# Altium PCB CM4-Tower.PcbDoc (part 3 of 10) (continued)
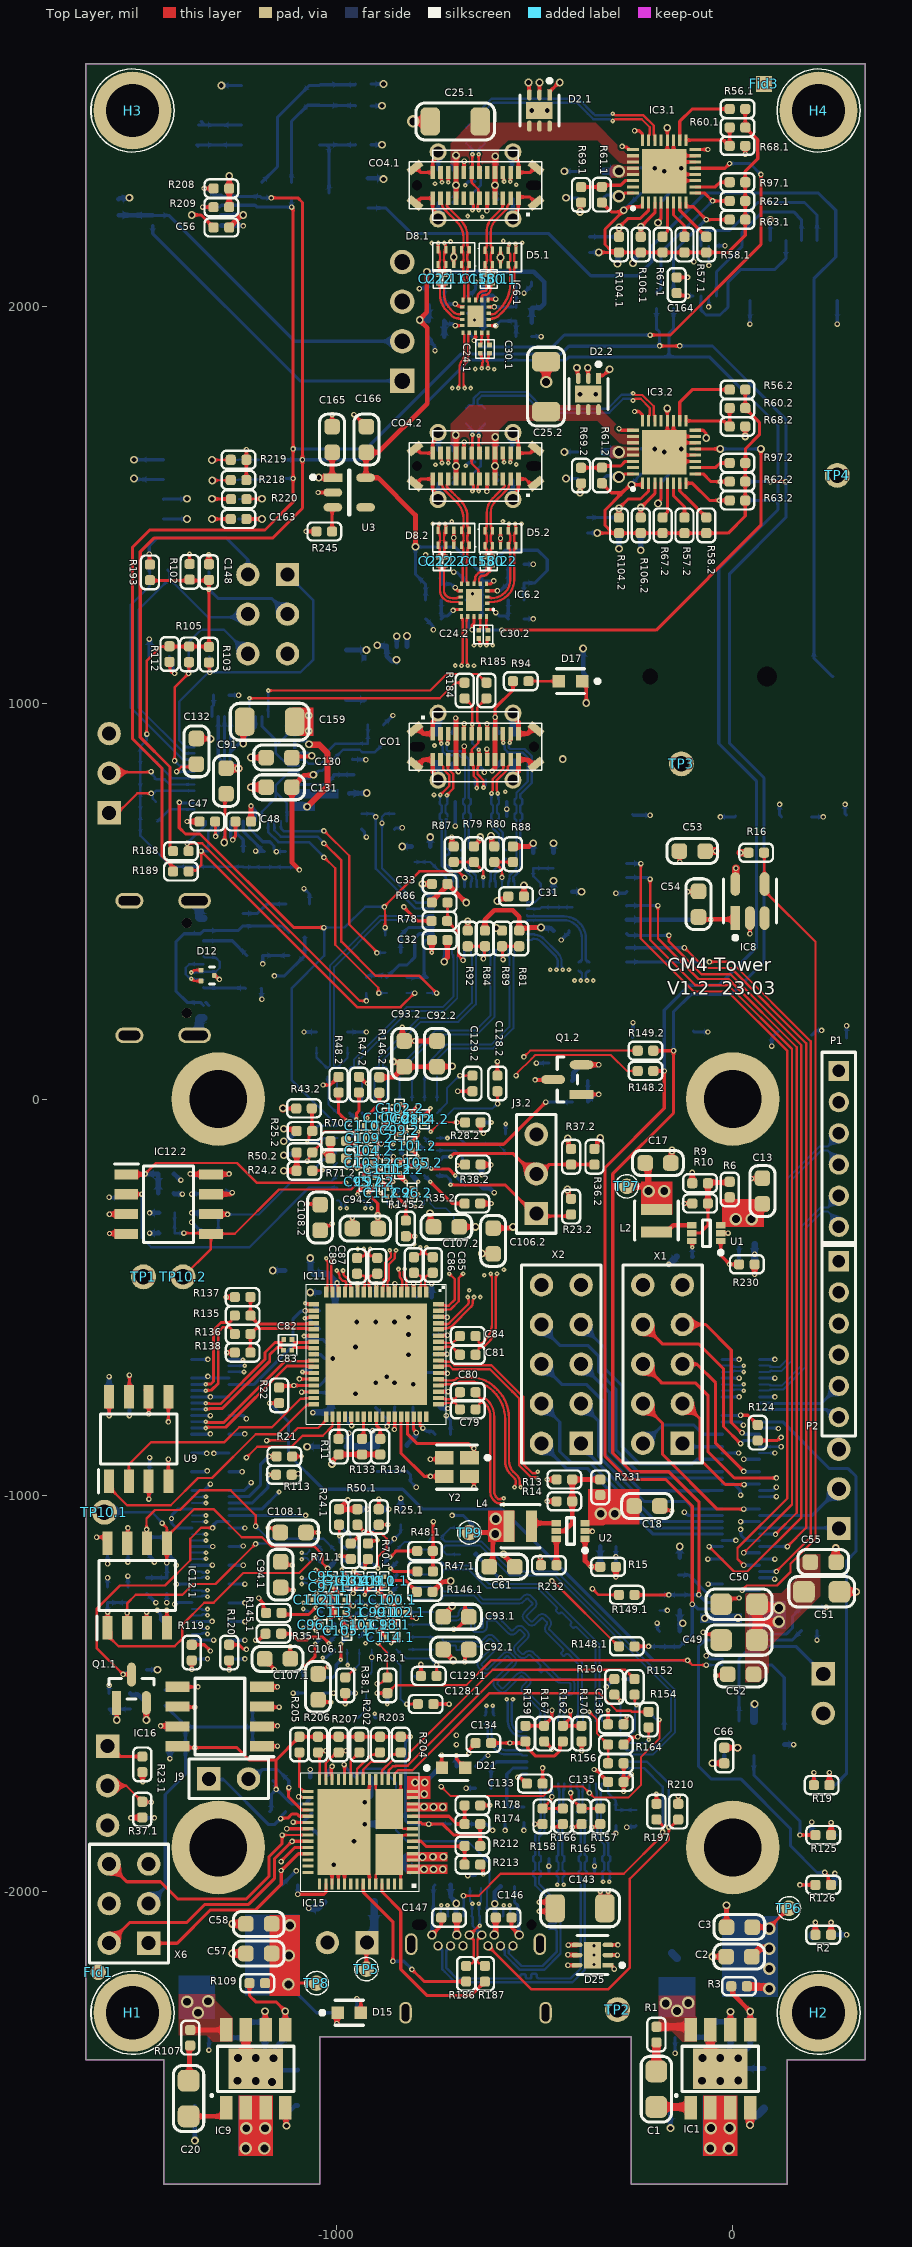
[diagram p0: Top Layer view]
## Nets (pads, with @x,y where several pads share a name; then routed paths per layer and width w, separated by ;. In a path a pad name is that pad's centre, name@x,y a point inside that pad or via, vN(x,y) a via of type N, cw(c..) or ccw(c..) an arc to the next point about the centre after c; other vN are vias at no path point) (continued)
+2V5.1: C114.1.1 IC2.1.H8 | length 40.2
  Top Layer w7.87: v2(-862.18,-1374.05) -862.18,-1372.99 -855.92,-1366.73 -855.92,-1360.42 C114.1.1@-853.95,-1358.45
  Bottom Layer w7.87: v2(-862.18,-1374.05) -861.43,-1373.3 -861.43,-1371.23 IC2.1.H8@-848.64,-1358.45
+2V5.2: C114.2.1 IC2.2.H8 | length 44
  Top Layer w7.87: C114.2.1@-778.39,-40.75 -764.18,-26.54 -764.18,-23.78 v2(-763.43,-23.03)
  Bottom Layer w7.87: IC2.2.H8@-778.39,-35.43 -776.9,-35.43 -764.5,-23.03 v2(-763.43,-23.03)
+3V3: C8.1 C9.1 C10.1 C11.1 C12.1 C14.1 C15.1 C31.1 C32.1 C33.1 C34.1 C53.1 C56.1 C57.1 C58.1 C59.1 C60.1 C67.1 C78.2 C99.1.1 C99.2.1 C106.1.1 C106.2.1 C107.1.1 C107.2.1 C108.1.1 C108.2.1 C109.1.1 C109.2.1 C110.1.1 C110.2.1 C111.1.1 C111.2.1 C112.1.1 C112.2.1 C113.1.1 C113.2.1 C117.1.2 C117.2.2 C130.1 C133.1 C134.1 C135.1 C136.1 C155.1.1 C155.2.1 C163.1 C164.2 C165.1 D3.1.2 D3.2.2 D26.1 IC2.1.B5 IC2.1.C5 IC2.1.C6 IC2.1.C7 IC2.1.F3 IC2.1.G3 IC2.1.G6 IC2.2.B5 IC2.2.C5 IC2.2.C6 IC2.2.C7 IC2.2.F3 IC2.2.G3 IC2.2.G6 IC3.1.32 IC3.2.32 IC4.1 IC4.6 IC4.20 IC4.28 IC7.3 IC8.5 IC11.6 IC11.15 IC11.23 IC11.32 IC11.46 IC11.49 IC11.57 IC11.66 IC12.1.8 IC12.2.8 IC13.5 IC14.1 IC14.6 IC14.20 IC14.28 L3.2 P1.1 R7.2 R9.1 R11.2 R13.1 R16.1 R21.1 R23.1.2 R23.2.2 R25.1.2 R25.2.2 R27.1.2 R27.2.2 R31.1.2 R31.2.2 R36.1.1 R36.2.1 R38.1.1 R38.2.1 R40.1.1 R40.2.1 R45.1.1 R45.2.1 R47.1.1 R47.2.1 R48.1.1 R48.2.1 R49.1.1 R49.2.1 R51.1.1 R51.2.1 R54.1.1 R54.2.1 R70.1.1 R70.2.1 R71.1.1 R71.2.1 R78.1 R79.1 R80.1 R81.1 R82.1 R83.1 R84.1 R85.1 R108.1 R109.1 R113.1 R119.1 R120.2 R121.1 R131.1 R132.2 R133.2 R134.2 R139.1 R140.1 R141.1 R143.1.1 R143.2.1 R145.1.2 R145.2.2 R147.1.1 R147.2.1 R156.1 R157.1 R158.1 R159.1 R160.1 R161.1 R162.1 R163.1 R208.1 R209.1 R214.1 R215.1 R218.1 R219.1 R245.1 TP8.1 U3.1 U7.8 U8.8 U9.8 X1.9 | length 6627.3
  Top Layer w7.87: v1(-1606.3,-1106.3) -1587.8,-1106.3 -1578.94,-1115.16 IC12.1.8@-1578.94,-1121.57 ; U9.8@-1575,-751.5 -1574.8,-751.69 v1(-1574.8,-799.21) ; R119.1@-1366.14,-1377.95 -1334.65,-1377.95 v1(-1318.9,-1393.7) ; R120.2@-1271.65,-1377.95 -1247.05,-1377.95 -1236.37,-1388.63 -1229.48,-1388.63 v1(-1228.35,-1389.76) ; C163.1@-1228.35,1464.57 v3(-1188.98,1464.57) ; R218.1@-1228.35,1562.99 R219.1@-1228.35,1614.17 v1(-1228.35,1639.41) ; v1(-1196.85,-1259.84) -1196.85,-1261.44 -1185.21,-1273.08 -1185.21,-1297.15 R145.1.2@-1178.66,-1303.7 ; v4@-1122.12,-2231.48 -1121.32,-2232.28 TP8.1@-1051.18,-2232.28 ; v1(-1117.62,-1382.38) -1117.62,-1412.89 C107.1.1@-1117.13,-1413.39 ; R113.1@-1113.66,-948.53 -1112.44,-947.3 -1098.3,-947.3 v1(-1097.17,-946.17) ; C130.1@-1113.19,862.2 -1110.62,864.77 -1065.22,864.77 v3(-1062.96,867.03) ; R21.1@-1112.71,-902.3 v2(-1089.09,-902.3) ; v1(-1088.58,-740.03) -1087.99,-739.44 -1058.28,-739.44 IC11.32@-1057.88,-739.05 ; v2(-1082.68,-598.43) -1082.12,-597.87 -1058.44,-597.87 IC11.23@-1057.88,-597.32 ; C108.1.1@-1077.76,-1094.49 -1074.95,-1097.3 -1072.14,-1094.49 v1(-1047.24,-1094.49) ; v1(-1076.95,1433.52) -1076.72,1433.3 -1051.41,1433.3 R245.1@-1051.18,1433.07 ; v1(-1074.8,-263.78) -1073.67,-264.91 -1043.99,-264.91 C108.2.1@-1042.17,-266.73 C108.2.1@-1042.17,-264.24 ; C106.1.1@-1047.24,-1516.73 -1041.48,-1522.49 -1016.88,-1522.49 v1(-1015.75,-1523.62) ; v3(-1045.58,1569.36) v3@-1045.35,1569.13 ; v1(-1034.45,35.43) -1034.34,35.54 -1015.75,35.54 R48.2.1@-995.57,55.72 ; v2(-1021.87,-1249.28) -1021.11,-1250.03 -1014.73,-1250.03 C111.1.1@-1000.8,-1263.96 ; U3.1@-1011.81,1570.85 U3.1@-1010.85,1569.88 ; U3.1@-1010.09,1569.13 U3.1@-1009.86,1568.9 ; v1(-999.39,-464.32) -997.51,-471.51 cw(c-1005.13,-473.5) -997.28,-472.85 -996.44,-483 ccw(c-988.59,-482.35) -995.48,-486.17 -995.08,-486.89 IC11.15@-994.89,-487.08 ; v1(-978.85,-1526.57) -978.71,-1526.43 -978.71,-1500.33 R38.1.1@-978.56,-1500.18 ; R71.1.1@-964.57,-1122.05 -963.24,-1122.05 -948.24,-1107.05 -945.64,-1107.05 v2(-944.88,-1106.3) ; R47.2.1@-944.34,55.92 R47.2.1@-944.14,56.12 -942.81,56.12 -927.19,40.5 -922.85,40.5 v1(-921.72,39.37) ; C110.2.1@-930.56,-66.93 -928.59,-68.9 -928.59,-74.21 -923.64,-79.16 -923.64,-82.38 v2(-922.89,-83.13) ; C109.2.1@-929.18,-98.43 -927.21,-100.39 -927.21,-106.96 -922.9,-111.27 v2(-922.9,-112.33) ; R70.1.1@-921.26,-1122.05 -914.14,-1114.93 -898.11,-1114.93 v2(-897.36,-1114.17) ; C109.1.1@-911.63,-1207.66 -909.66,-1209.63 -902.16,-1209.63 -897.85,-1213.94 v2(-897.36,-1213.94) ; v2(-895.51,-1313.13) -894.75,-1312.38 -893.57,-1312.38 -883.48,-1302.29 -883.48,-1297.42 C99.1.1@-881.51,-1295.46 ; v2@-895.21,-1213.8 -894.46,-1213.05 -891.98,-1213.05 -887.19,-1208.25 -882.1,-1208.25 C110.1.1@-880.14,-1206.28 ; R25.1.2@-893.81,-1035.7 -893.81,-1010.13 v1(-893.7,-1010.02) ; v1(-854.58,-834.4) -853.55,-833.37 -853.55,-802.43 IC11.46@-853.16,-802.04 ; IC11.6@-853.19,-487.05 v1@-853.19,-466.43 ; C99.2.1@-841.38,-68.31 -839.42,-70.28 -834.55,-70.28 -823.71,-81.12 v2(-823.71,-82.3) ; v1(-830.71,485.24) -830.71,484.25 -796.36,449.9 -760.92,449.9 R78.1@-760.61,449.59 ; R145.2.2@-825.64,-346.46 v1(-803.15,-346.46) ; IC11.49@-805.92,-802.04 -805.92,-834.22 -799.21,-840.92 v1(-799.21,-842.52) ; R47.1.1@-757.09,-1192.7 -757.29,-1192.5 -757.29,-1141.47 R48.1.1@-757.49,-1141.27 -756.7,-1140.48 -756.7,-1067.72 v1(-755.91,-1066.93) ; IC11.57@-742.92,-691.8 -742.37,-692.36 -721.03,-692.36 v1(-720.47,-692.91) ; IC11.66@-742.92,-550.07 -742.51,-550.48 -721.71,-550.48 v1(-721.3,-550.9) ; C134.1@-610.24,-1625.98 v1(-562.99,-1625.98) -527.56,-1625.98 R159.1@-523.62,-1622.05 -518.13,-1627.54 -518.13,-1639.35 -499.02,-1658.46 -449.76,-1658.46 -436.47,-1645.18 -436.47,-1629.39 R162.1@-429.13,-1622.05 ; v1(-543.31,-1712.6) -542.18,-1713.73 -535.63,-1713.73 -521.02,-1728.35 C133.1@-519.68,-1728.35 ; v1(-500,-1830.71) R158.1@-480.32,-1830.71 ; v1(-356.37,-1838.75) -355.24,-1837.62 -341.55,-1837.62 R157.1@-334.65,-1830.71 ; C136.1@-314.96,-1578.74 v2(-314.96,-1543.31) ; v4(-287.4,1570.68) -281.01,1570.68 -273.14,1578.55 IC3.2.32@-251.97,1578.55 ; v4(-287.4,2279.53) -281.01,2279.53 -273.14,2287.4 IC3.1.32@-251.97,2287.4 ; v1(-275.59,-1748.03) C135.1@-275.59,-1724.41 ; R156.1@-275.59,-1677.17 C135.1@-275.59,-1724.41 ; v1(-255.91,-1704.72) C135.1@-275.59,-1724.41 ; C164.2@-141.73,2035.43 -134.99,2028.69 -115.3,2028.69 v1(-114.17,2027.56)
  Top Layer w11.81: R23.1.2@-1497.24,-1693.31 R23.1.2@-1490.93,-1699.62 -1490.36,-1700.19 -1490.36,-1722.68 v1(-1489.79,-1723.25) ; v1(-1370.08,-188.98) -1369.42,-189.63 -1318.48,-189.63 IC12.2.8@-1317.82,-190.29 -1317.23,-189.7 -1272.91,-189.7 -1272.19,-188.98 v1(-1271.65,-188.98) ; C56.1@-1271.65,2200.79 -1241.66,2230.78 -1237.73,2230.78 v3(-1236.22,2232.28) ; R209.1@-1271.65,2255.91 v3(-1271.65,2330.71) ; R109.1@-1181.1,-2232.28 -1122.92,-2232.28 v4@-1122.12,-2231.48 ; v3(-1133.86,-74.8) -1132.35,-76.31 -1105.63,-76.31 R25.2.2@-1101.23,-80.71 ; v3@-1045.35,1569.13 U3.1@-1010.09,1569.13 ; C112.1.1@-1038.99,-1263.96 -1037.62,-1263.96 v2(-1021.87,-1279.71) -1016.55,-1279.71 C113.1.1@-1000.8,-1295.46 -1016.55,-1311.2 v2(-1021.87,-1311.2) ; v1(-1034.45,-130.62) -1034.45,-130.76 -1015.75,-149.46 R71.2.1@-1015.75,-149.61 ; R71.2.1@-1015.75,-145.67 R70.2.1@-1015.75,-106.3 ; v3(-1011.81,-921.26) -1010.3,-919.75 -1010.3,-912.57 -995.3,-897.56 R11.2@-995.3,-897.29 R133.2@-936.24,-897.29 ; U3.1@-1011.81,1570.85 C165.1@-1011.81,1632.87 ; R133.2@-939.44,-900.49 R133.2@-936.24,-897.29 ; R25.1.2@-893.92,-1035.61 R25.1.2@-893.82,-1035.71 ; R134.2@-890.17,-897.29 R133.2@-936.24,-897.29 ; v2(-887.56,-208.66) -872.88,-223.34 C112.2.1@-872.88,-225.79 ; C111.2.1@-872.88,-187.6 -872.88,-192.91 v2(-857.13,-208.66) ; C113.2.1@-841.38,-187.6 -841.38,-192.91 v2(-825.64,-208.66) ; v3(-783.46,543.31) C33.1@-759.84,543.31 ; v3(-728.35,346.46) -728.35,348.59 -720.47,356.46 C32.1@-720.47,401.57 ; C107.2.1@-690.79,-322.83 v3(-649.61,-322.83) ; R79.1@-653.54,637.8 -653.54,638.06 -639.3,652.3 -639.3,659.91 v3(-637.8,661.42) ; R38.2.1@-636.66,-165.35 -636.08,-165.93 -611.45,-165.93 v1(-611.07,-166.31) ; R84.1@-625.98,425.2 -625.98,452.76 -602.36,476.38 -555.12,476.38 -539.37,460.63 R81.1@-539.37,425.2 -532.78,431.78 -513.1,431.78 -511.81,433.07 v3(-484.25,433.07) ; v3(-610.48,664.3) -610.48,662.17 -608.95,660.63 -608.95,644.38 R80.1@-602.36,637.8 ; C106.2.1@-605.16,-325.79 -560.2,-325.79 -557.25,-322.83 v3(-555.12,-322.83) ; C31.1@-527.56,511.81 v3(-527.56,539.37) ; v1(-468.5,-960.63) R13.1@-444.88,-960.63 ; v3(-417.32,-228.35) -417.32,-230.48 -414.9,-232.9 -414.9,-245.38 R23.2.2@-408.31,-251.97 ; R36.2.1@-349.26,-125.98 -342.67,-119.4 -342.67,-108.58 -334.65,-100.56 v3(-334.65,-98.43) ; R9.1@-102.36,-212.6 v1(-102.36,-185.04)
  Top Layer w19.68: C58.1@-1164.37,-2082.68 v4@-1118.13,-2082.71 ; C57.1@-1154.51,-2155.48 -1126.95,-2155.48 -1123.9,-2158.53 v4@-1120.71,-2158.53 ; C53.1@-69.88,625.98 v1(-43.31,625.98) ; IC8.5@6.32,543.04 7.29,544.01 7.29,582.09 v1(7.87,582.68) ; v1(19.68,622.05) R16.1@39.37,622.05
  Bottom Layer w7.87: v1(-1606.3,-1106.3) C117.1.2@-1578.74,-1106.3 ; v1(-1574.8,-799.21) C78.2@-1574.8,-771.65 ; v1(-1574.8,-248.03) -1573.89,-248.94 -1549.49,-248.94 R143.2.1@-1548.58,-249.85 ; R51.1.1@-1527.56,-1232.28 v1(-1527.56,-1204.72) ; v1(-1527.56,-1169.29) R27.1.2@-1527.56,-1145.67 ; v1(-1523.62,-799.21) R7.2@-1523.62,-771.65 ; R36.1.1@-1490.93,-1814.8 -1490.85,-1814.88 -1460.71,-1814.88 v1(-1460.63,-1814.96) ; R45.1.1@-1480.32,-1248.03 v1(-1456.69,-1271.65) ; R40.1.1@-1480.32,-1145.67 -1461.76,-1164.22 -1461.76,-1168.16 v1(-1460.63,-1169.29) ; R131.1@-1472.78,-943.53 -1472.61,-943.37 -1472.61,-905.68 v1(-1472.44,-905.51) ; v1(-1452.76,-1291.34) -1452.76,-1292.94 -1444.35,-1301.35 -1444.35,-1315.5 R143.1.1@-1437.01,-1322.83 ; U7.8@-1247.34,1464.37 -1247.24,1464.47 -1189.07,1464.47 v3(-1188.98,1464.57) ; v4@-1122.13,-2240.07 v4(-1122.13,-2235.45) ; v4@-1122.12,-2236.1 -1051.13,-2307.09 R108.1@-988.19,-2307.09 ; IC13.5@-1096.46,873.03 -1072.16,873.03 -1066.16,867.03 v3(-1062.96,867.03) ; v1(-1088.58,-740.03) -1065.23,-740.03 -1063.98,-741.29 -1018.62,-741.29 C67.1@-1014.98,-744.92 ; v2(-1082.68,-598.43) -1081.61,-598.43 -1072.67,-607.37 -1034.25,-607.37 C59.1@-1014.98,-626.64 ; v1(-1082.68,169.29) R31.2.2@-1051.18,169.29 ; R54.1.1@-1031.71,-1500.18 -1031.62,-1500.09 -1007.96,-1500.09 v1(-1007.87,-1500) ; IC2.2.F3@-935.87,-98.43 -935.87,-98.9 -922.9,-111.86 v2(-922.9,-112.33) ; IC2.2.G3@-935.87,-66.93 -935.87,-69.08 -922.89,-82.07 v2(-922.89,-83.13) ; R215.1@-913.39,2507.87 v3(-885.83,2507.87) ; R214.1@-913.39,2562.99 v3(-881.89,2562.99) ; IC2.1.F3@-911.63,-1200.97 -910.33,-1200.97 v2(-897.36,-1213.94) ; v2(-904.31,-1552.39) -904.31,-1561.2 -902.34,-1563.17 D3.1.2@-900.8,-1563.17 ; v2(-895.51,-1313.13) -895.51,-1312.07 -880.13,-1296.7 IC2.1.G6@-880.13,-1295.45 ; v2@-895.21,-1213.8 -894.15,-1213.8 -881.31,-1200.97 IC2.1.G3@-880.13,-1200.97 ; v2(-872.26,-1527.74) R147.1.1@-872.26,-1500.18 ; v1(-854.58,-834.4) -853.75,-833.56 -853.75,-778 C60.1@-853.16,-777.42 ; C12.1@-854.33,-497.89 -853.77,-497.33 -853.77,-466.97 v1(-853.21,-466.41) ; IC2.2.G6@-841.38,-66.93 -826.75,-81.55 -824.46,-81.55 v2(-823.71,-82.3) ; C14.1@-807.09,-777.42 -807.09,-834.27 v1@-799.48,-841.87 ; C10.1@-798.09,-691.79 C10.1@-799.21,-690.66 -724.32,-690.66 -722.07,-692.91 v1(-720.47,-692.91) v1@-721.6,-691.79 ; v3(-783.46,543.31) -783.46,527.56 -767.72,511.81 IC4.28@-755.91,511.81 ; C11.1@-755.91,-549.07 -754.99,-549.98 -722.21,-549.98 v1(-721.3,-550.9) ; v1(-708.66,-1051.39) -708.45,-1051.18 -681.1,-1051.18 R31.1.2@-649.61,-1082.68 ; v1(-673.23,-1740.16) R160.1@-649.61,-1740.16 ; R147.2.1@-636.66,-59.06 v2(-609.1,-59.06) ; v1(-574.8,-1846.46) R163.1@-574.8,-1826.77 ; D3.2.2@-573.67,-87.6 v2(-573.67,-62.99) ; v1(-562.99,-1625.98) IC14.6@-519.68,-1625.98 ; v1(-543.31,-1712.6) -542.18,-1711.47 -538.24,-1711.47 -531.5,-1704.72 IC14.1@-519.68,-1704.72 ; IC4.6@-519.68,433.07 v3(-484.25,433.07) ; C155.2.1@-325.79,1566.74 -318.6,1573.93 -279.62,1573.93 v4@-277.36,1576.19 ; C155.1.1@-325.79,2275.59 -318.6,2282.78 -279.62,2282.78 v4@-277.36,2285.04 ; IC14.20@-314.96,-1570.87 v2(-314.96,-1543.31) ; v1(-295.28,-1854.33) R161.1@-295.28,-1834.65 ; IC14.28@-283.46,-1704.72 -271.65,-1704.72 v1(-255.91,-1704.72) ; v1(-114.17,2027.56) U8.8@-100.39,2027.56
  Bottom Layer w11.81: R121.1@-1551.18,2271.65 -1548.59,2274.24 -1525.13,2274.24 v3(-1523.62,2275.75) ; v1(-1472.44,-287.4) R45.2.1@-1448.82,-287.4 R45.2.1@-1448.88,-287.34 ; R51.2.1@-1411.29,-238.19 -1409.69,-239.78 -1390.14,-239.78 v1(-1389.76,-240.16) ; v1(-1370.08,-188.98) -1368.57,-190.48 -1348.89,-190.48 C117.2.2@-1342.39,-196.98 ; v1(-1366.14,-287.4) -1365.77,-287.78 -1342.14,-287.78 R40.2.1@-1338.45,-291.47 ; IC7.3@-1291.34,2231.3 -1290.85,2231.79 -1236.71,2231.79 v3(-1236.22,2232.28) ; R27.2.2@-1291.21,-196.98 -1284.62,-190.4 -1273.61,-190.4 -1272.19,-188.98 v1(-1271.65,-188.98) ; v3(-1133.86,-141.73) -1132.35,-140.23 -1106.61,-140.23 R49.2.1@-1101.23,-134.84 ; IC2.1.B5@-1037.62,-1263.96 -1022.93,-1249.28 v2(-1021.87,-1249.28) ; v2(-1021.87,-1342.7) IC2.1.C7@-1006.12,-1326.95 ; v2(-1021.87,-1311.2) IC2.1.C6@-1006.12,-1295.45 ; v2(-1021.87,-1279.71) IC2.1.C5@-1006.12,-1263.96 ; R49.1.1@-948.05,-1035.61 -947.95,-1035.71 -922.56,-1035.71 v1(-922.46,-1035.81) ; D26.1@-921.26,2324.8 -884.39,2324.8 -882.42,2322.83 v3(-881.89,2322.83) ; v2(-887.56,-208.66) -887.56,-209.73 IC2.2.B5@-872.88,-224.41 ; IC2.1.G6@-880.13,-1295.45 IC2.1.G6@-879.44,-1295.46 ; IC2.2.C5@-872.88,-192.91 v2(-857.13,-208.66) ; IC2.2.C6@-841.38,-192.91 v2(-825.64,-208.66) ; IC2.2.G6@-841.38,-66.93 IC2.2.G6@-841.38,-66.23 ; v3(-834.65,637.8) R83.1@-811.02,637.8 ; C8.1@-822.84,-874.86 -822.84,-872.73 -799.59,-849.48 -799.59,-842.9 v1(-799.21,-842.52) ; IC2.2.C7@-809.89,-192.91 v2(-794.14,-208.66) ; v3@-728.35,350.39 -728.35,352.52 -726.38,354.49 -726.38,375.98 IC4.20@-724.41,377.95 ; R54.2.1@-636.66,-218.5 -630.07,-225.09 -614.03,-225.09 -602.89,-236.22 v1(-602.36,-236.22) ; v3(-527.56,539.37) -526.05,537.86 -526.05,513.78 -524.08,511.81 IC4.1@-519.68,511.81 ; v3(-484.25,433.07) -482.75,431.56 -459.12,431.56 C34.1@-452.76,425.2 ; R82.1@-452.76,523.62 v3(-452.76,551.18) ; R85.1@-452.76,622.05 v3(-452.76,645.67)
  Bottom Layer w15.75: v3(-1066.93,-401.57) -1066.44,-402.07 -1066.44,-432.58 C9.1@-1065.94,-433.07 -1057.99,-441.02 -1022.64,-441.02 v1@-1000.08,-463.58 ; v1(-1060.08,-791.61) -1059.47,-791 R132.2@-1014.98,-791 C67.1@-1014.98,-744.92 -1002.19,-732.13 -1002.19,-723.68 -989.17,-710.67 -989.17,-708.71 R140.1@-976.38,-695.91 ; C59.1@-1014.98,-626.64 -1003.94,-615.6 R139.1@-1003.94,-580.57 R141.1@-1003.94,-534.49 C15.1@-1003.94,-488.42 -1000.21,-484.69 v1@-1000.21,-465.86 ; v1@-1000.06,-463.6 cw(c-1011.21,-474.72) v1(-999.39,-464.32)
  other v4: -1120.72,-2162.5 -1118.14,-2086.68
+5V: C2.1 C3.1 C13.1 C18.1 C49.1 C50.1 C51.1 C52.1 C55.1 C91.1 C127.1.1 C127.2.1 C159.1 IC3.1.28 IC3.1.29 IC3.2.28 IC3.2.29 IC13.1 IC13.2 IC13.25 J5.79 J5.81 J5.83 J5.85 J5.87 J7.3 J8.1 L1.2 R2.1 R3.1 R6.1 R29.1.1 R29.2.1 R196.1 R231.1 TP6.1 U1.3 U2.3 X1.10 | length 1113.2
  Top Layer w7.87: v3(-1284.27,647.99) -1282.48,649.78 -1282.48,714.73 ; -1282.5,714.75 -1282.5,767.69 C91.1@-1279.53,770.67 ; v4@92.12,-2090.55 93.3,-2090.55 140.55,-2043.31 TP6.1@141.73,-2043.31
  Top Layer w11.81: U2.3@-373.03,-1070.87 -326.77,-1070.87 -322.83,-1066.93 ; C3.1@49.15,-2090.91 49.33,-2090.73 91.94,-2090.73 v4@92.12,-2090.55 ; R2.1@248.03,-2110.24 v1(248.03,-2078.74)
  Top Layer w15.75: R6.1@-7.87,-248.03 7.87,-263.78 v4(7.87,-303.15) ; v4(47.24,-303.15) 85.63,-264.76 C13.1@74.8,-264.76 ; C51.1@179.41,-1244.09 C51.1@187.64,-1235.87 ; C55.1@187.64,-1177.52 C55.1@195.87,-1169.29
  Top Layer w19.68: R3.1@35.43,-2240.16 36.56,-2241.29 90.99,-2241.29 92.12,-2242.42 v4@90.44,-2244.09 ; C2.1@48.23,-2165.35 69.59,-2143.99 88.29,-2143.99 v4@90.55,-2141.73 ; C52.1@52.17,-1452.76 C52.1@56.46,-1448.46 ; C49.1@56.46,-1370.43 C49.1@60.75,-1366.14 60.75,-1320.87 ; v4(116.86,-1284.95) 114.6,-1282.69 67.85,-1282.69 C50.1@60.75,-1275.59 60.75,-1320.87 ; v4@119.7,-1319.35 v4(116.5,-1319.35) 114.99,-1320.87 60.75,-1320.87 ; C51.1@165.54,-1257.96 C51.1@179.41,-1244.09
  Bottom Layer w7.87: R29.1.1@-1480.32,-1440.94 v3(-1452.76,-1440.94) ; v3(-1284.27,647.99) -1283.46,648.79 IC13.25@-1283.46,701.77 ; v1(-496.06,90.55) R29.2.1@-464.57,90.55 ; J8.1@94.49,2168.31 v3(94.49,2220.47)
  Bottom Layer w11.81: R196.1@-968.5,771.65 -967.96,772.2 -925.04,772.2 v3(-924.5,772.74)
  Bottom Layer w19.68: C127.2.1@-325.79,1633.67 v4(-287.4,1633.67) ; C127.1.1@-325.79,2342.52 v4(-287.4,2342.52) ; v4@115.21,-1283.31 v4(116.86,-1284.95)
  other v3: -1070.87,929.13 -1070.87,968.5
  other v4: 92.12,-2246.36 92.12,-2195.73 92.12,-2145.11 92.12,-2094.49 -333.29,-1047.24 -297.85,-1047.24
ADCIN1: IC15.6 R212.2 R213.1 | length 183.2
  Top Layer w7.87: IC15.6@-809.06,-1874.02 -787.44,-1874.02 -774.65,-1886.81 -677.51,-1886.81 -677.17,-1887.16 R213.1@-677.17,-1933.07
ADCIN1_DFP.1: IC3.1.2 R59.1.1 R104.1.2 R223.1.2 | length 234.5
  Top Layer w7.87: R104.1.2@-287.4,2177.17 v3(-287.4,2200.79) -264.37,2223.82 -232.9,2223.82 -212.6,2244.12 IC3.1.2@-212.6,2263.78
  Bottom Layer w7.87: R223.1.2@-362.2,2177.17 R59.1.1@-287.4,2177.17 v3(-287.4,2200.79)
ADCIN1_DFP.2: IC3.2.2 R59.2.1 R104.2.2 R223.2.2 | length 238.5
  Top Layer w7.87: R104.2.2@-287.4,1468.32 v3(-287.4,1491.94) -264.37,1514.97 -232.9,1514.97 -212.6,1535.28 IC3.2.2@-212.6,1554.93
  Bottom Layer w7.87: R223.2.2@-366.14,1468.5 -366.05,1468.41 -287.49,1468.41 R59.2.1@-287.4,1468.32 v3(-287.4,1491.94)
ADCIN2: IC15.10 R174.2 R178.1 | length 187.3
  Top Layer w7.87: IC15.10@-809.06,-1811.02 -716.54,-1811.02 -697.16,-1830.4 -677.47,-1830.4 R174.2@-677.17,-1830.71 R178.1@-677.17,-1783.46
ADCIN2_DFP.1: IC3.1.3 R66.1.1 R106.1.2 | length 126.3
  Top Layer w7.87: R106.1.2@-232.28,2177.17 v3(-232.28,2202.17) -196.85,2237.6 IC3.1.3@-196.85,2263.78
  Bottom Layer w7.87: R66.1.1@-232.28,2177.17 v3(-232.28,2202.17)
ADCIN2_DFP.2: IC3.2.3 R66.2.1 R106.2.2 | length 126.3
  Top Layer w7.87: R106.2.2@-232.28,1468.32 v3(-232.28,1493.32) -196.85,1528.75 IC3.2.3@-196.85,1554.93
  Bottom Layer w7.87: R66.2.1@-232.28,1468.32 v3(-232.28,1493.32)
AUX.2_N: C115.2.1 IC4.25 R31.2.1 | length 640.8
  Bottom Layer w4.92: R31.2.1@-1051.18,129.92 -1051.18,104.92 C115.2.1@-1023.62,77.36 -1020.18,80.81 -1019.71,80.81 -1016.83,83.69 -1016.83,337.5 -892.62,461.71 -770.57,461.71 -767.72,464.57 IC4.25@-755.91,464.57
AUX.2_P: C116.2.1 IC4.24 R33.2.1 | length 624.1
  Bottom Layer w4.92: R33.2.1@-972.44,129.92 -972.44,104.92 C116.2.1@-1000,77.36 -1003.44,80.81 -1003.91,80.81 -1006.79,83.69 -1006.79,333.34 -888.46,451.67 -770.57,451.67 -767.72,448.82 IC4.24@-755.91,448.82
AUX_N: C115.1.1 IC14.25 R31.1.1 | length 1075.4
  Bottom Layer w4.92: C115.1.1@-736.53,-1107.37 -726.87,-1117.03 -634.94,-1117.03 -558.76,-1193.21 -444.59,-1193.21 -146.44,-1491.35 -146.44,-1521.07 -146.44,-1599.94 -201.13,-1654.63 -268.8,-1654.63 -271.65,-1657.48 IC14.25@-283.46,-1657.48 ; C115.1.1@-735.82,-1106.65 -711.84,-1082.68 R31.1.1@-688.98,-1082.68
AUX_P: C116.1.1 IC14.24 R33.1.1 | length 1035.2
  Bottom Layer w4.92: R33.1.1@-688.98,-1149.61 -723.23,-1149.61 C116.1.1@-735.04,-1137.8 -724.31,-1127.07 -639.1,-1127.07 -562.92,-1203.25 -448.74,-1203.25 -156.48,-1495.51 -156.48,-1595.78 -205.29,-1644.59 -268.8,-1644.59 -271.65,-1641.73 IC14.24@-283.46,-1641.73
BT_DIS: J5.91 R123.2 | length 116.1
  Bottom Layer w7.87: J5.91@66.93,-1366.14 149.61,-1366.14 R123.2@173.23,-1342.52
CAD_SNK: IC14.29 R161.2 R169.1 | length 126.3
  Bottom Layer w5.91: IC14.29@-314.96,-1728.35 -314.96,-1751.97 -295.28,-1771.65 R161.2@-295.28,-1795.28 R169.1@-244.09,-1795.28
CC1: C154.1 CO5.5 IC15.24 | length 735.5
  Top Layer w7.87: v1(-981.42,-1680.67) -980.32,-1681.78 IC15.24@-980.32,-1718.5
  Bottom Layer w5.91: C154.1@-952.76,-1712.6 -931.1,-1690.94 -885.83,-1690.94 -850.39,-1726.38 -850.39,-1846.46 -822.83,-1874.02 -669.29,-1874.02 -614.17,-1929.13 -614.17,-1988.19 -620.78,-1994.79 -620.78,-2062.29 CO5.5@-620.08,-2062.99
  Bottom Layer w7.87: v1(-981.42,-1680.67) -980.29,-1681.8 -980.29,-1685.06 C154.1@-952.76,-1712.6
CC1_DFP.1: CO4.1.5 IC3.1.24 | length 604.1
  Top Layer w7.87: v1(-620.76,2243.07) -620.42,2243.42 -620.42,2274.07 CO4.1.5@-620.08,2274.41 ; v1(-248.03,2444.88) -236.22,2444.88 -228.35,2437.01 IC3.1.24@-228.35,2421.26
  Layer 3 w7.87: v1(-620.76,2243.07) -620.76,2328.06 -602.36,2346.46 -468.5,2346.46 -431.1,2383.86 -261.81,2383.86 -248.03,2397.64 v1(-248.03,2444.88)
CC1_DFP.2: CO4.2.5 IC3.2.24 | length 597.1
  Top Layer w7.87: v1(-620.76,1534.23) -620.42,1534.57 -620.42,1565.22 CO4.2.5@-620.08,1565.56 ; v1(-248.03,1736.03) -236.22,1736.03 -228.35,1728.16 IC3.2.24@-228.35,1712.41
  Layer 3 w7.87: v1(-620.76,1534.23) -620.76,1623.15 -602.18,1641.73 -464.57,1641.73 -431.29,1675.01 -277.75,1675.01 -248.03,1704.72 v1(-248.03,1736.03)
CC2: C153.1 CO5.25 IC15.26 | length 801.1
  Top Layer w7.87: v1(-1011.89,-1684.97) -1011.89,-1686.57 -1013.78,-1688.46 -1013.78,-1706.69 -1011.81,-1708.66 IC15.26@-1011.81,-1718.5
  Layer 3 w5.91: v1(-1011.89,-1684.97) -984.25,-1712.61 -984.25,-1944.88 -850.39,-2078.74 -850.39,-2145.67 -822.83,-2173.23 -700.79,-2173.23 -682.14,-2154.58 -682.14,-2139.22 CO5.25@-681.1,-2138.19
  Bottom Layer w7.87: C153.1@-1027.56,-1712.6 -1020.22,-1705.26 -1020.22,-1694.9 -1011.89,-1686.57 v1(-1011.89,-1684.97)
CC2_DFP.1: CO4.1.25 IC3.1.25 | length 516.9
  Top Layer w7.87: CO4.1.25@-679.13,2339.76 -678.64,2340.26 -678.64,2367.44 v1(-678.15,2367.93) ; v1(-279.53,2405.51) -278.4,2404.38 -269.54,2404.38 -262.8,2397.64 IC3.1.25@-251.97,2397.64
  Layer 3 w7.87: v1(-678.15,2367.93) -677.17,2368.92 -677.17,2409.45 -657.48,2429.13 -303.15,2429.13 v1(-279.53,2405.51)
CC2_DFP.2: CO4.2.25 IC3.2.25 | length 507.9
  Top Layer w7.87: CO4.2.25@-679.13,1630.92 -678.64,1631.41 -678.64,1658.59 v1(-678.15,1659.08) ; v1(-287.4,1692.91) -285.8,1692.91 -281.68,1688.79 IC3.2.25@-251.97,1688.79
  Layer 3 w7.87: v1(-678.15,1659.08) -677.17,1660.07 -677.17,1685.04 -641.73,1720.47 -314.96,1720.47 v1(-287.4,1692.91)
CHG_HI.1: IC3.1.17 R60.1.2 R68.1.1 | length 162.8
  Top Layer w7.87: IC3.1.17@-118.11,2421.26 -23.64,2421.26 -9.21,2406.82 R68.1.1@-7.87,2406.82 R60.1.2@-7.87,2453.41
CHG_HI.2: IC3.2.17 R60.2.2 R68.2.1 | length 162.8
  Top Layer w7.87: IC3.2.17@-118.11,1712.41 -23.64,1712.41 -9.21,1697.98 R68.2.1@-7.87,1697.98 R60.2.2@-7.87,1744.56
CHRG_CTRL.1: IC2.1.E1 R26.1.1 | length 88.1
  Bottom Layer w4.92: R26.1.1@-1002.18,-1076.95 R26.1.1@-1002.18,-1074.98 ; R26.1.1@-994.31,-1074.98 -965.46,-1103.83 -965.46,-1115.65 IC2.1.E1@-943.13,-1137.97 IC2.1.E1@-943.13,-1136.01
CHRG_CTRL.2: IC2.2.E1 R26.2.1 | length 88.1
  Bottom Layer w4.92: R26.2.1@-1061.86,-188.98 R26.2.1@-1059.89,-188.98
  Bottom Layer w5.91: R26.2.1@-1061.86,-181.1 -1033,-152.25 -1021.19,-152.25 IC2.2.E1@-998.86,-129.92 IC2.2.E1@-1000.83,-129.92
CLK_N: J6.112 R136.1 | length 260.8
  Top Layer w7.09: v2(-1330.71,-736.22) -1329.8,-735.32 -1316.76,-735.32 -1299.02,-717.57 -1299.02,-587.65 -1287.39,-576.03 -1270.7,-576.03 -1266.54,-580.18 -1266.54,-582.58 -1257.29,-591.83 R136.1@-1257.29,-593.37
  Bottom Layer w7.09: J6.112@-1366.14,-736.22 v2(-1330.71,-736.22)
CLK_P: J6.110 R135.1 | length 259.3
  Top Layer w7.09: v2(-1330.71,-720.47) -1329.8,-719.57 -1317.99,-719.57 -1311.02,-712.6 -1311.02,-582.68 -1292.36,-564.02 -1270.7,-564.02 -1266.54,-559.87 -1266.54,-557.47 -1257.29,-548.22 R135.1@-1257.29,-546.67
  Bottom Layer w7.09: J6.110@-1366.14,-720.47 v2(-1330.71,-720.47)
CLK_R_N: IC11.22 R136.2 R138.1 | length 213.3
  Top Layer w7.09: R138.1@-1217.92,-640.07 R136.2@-1217.92,-593.37 -1217.92,-593.1 -1204.52,-579.7 -1202.6,-579.7 -1172.34,-579.7 -1059.75,-579.7 IC11.22@-1057.88,-581.57
CLK_R_P: IC11.21 R135.2 R137.1 | length 217.1
  Top Layer w7.09: R137.1@-1217.92,-499.97 R135.2@-1217.92,-546.67 -1217.92,-548.22 -1198.45,-567.69 -1167.36,-567.69 -1059.75,-567.69 IC11.21@-1057.88,-565.82
CM4_I2C.SCL: IC7.2 J5.80 R118.2 R128.1.1 R128.2.1 R149.1.1 R149.2.1 R189.1 R191.1 R209.2 R217.1 R222.1 | length 7702.9
  Top Layer w7.87: R189.1@-1413.39,586.61 -1440.94,614.17 -1440.94,834.65 -1515.75,909.45 -1515.75,1393.7 -1472.44,1437.01 -1181.1,1437.01 -1110.24,1507.87 v1(-1110.24,1566.93) -1110.24,2246.43 -1114.17,2250.37 v1(-1114.17,2251.97) ; v1(-1338.42,2252.13) -1338.34,2252.05 -1311.1,2252.05 R209.2@-1311.02,2251.97 ; R149.1.1@-244.12,-1251.97 v1(-161.42,-1251.97) ; R149.2.1@-200.79,122.05 v1(-149.61,122.05) -149.61,-35.43 -303.15,-188.98 -303.15,-893.7 -255.91,-940.94 -161.42,-940.94 -85.63,-1016.73 v1(-85.63,-1251.63) ; v1(-185.04,1901.57) v1(-133.86,1901.57) ; v1(94.49,1559.06) v1(133.86,1559.06)
  Bottom Layer w7.87: v1(-1338.42,2252.13) -1296.1,2252.13 IC7.2@-1291.34,2256.89 -1206.04,2256.89 -1201.12,2251.97 v1(-1114.17,2251.97) R217.1@-1114.17,2275.59 ; R222.1@-1129.92,1566.93 v1(-1110.24,1566.93) ; v1(-1110.24,1641.73) -925.2,1641.73 -685.27,1881.66 -433.3,1881.66 -414,1900.96 -185.66,1900.96 v1(-185.04,1901.57) -185.04,1937.01 -192.91,1944.88 R128.1.1@-192.91,1996.06 ; R191.1@-185.04,-1251.97 v1(-161.42,-1251.97) R118.2@-133.86,-1251.97 -133.69,-1251.8 v1@-85.94,-1251.8 ; v1(-149.61,122.05) -149.61,220.47 -106.3,263.78 -3.94,263.78 78.74,346.46 78.74,811.02 -7.87,897.64 -7.87,1326.77 133.86,1468.5 v1(133.86,1559.06) 133.86,1716.54 -51.18,1901.57 v1(-133.86,1901.57) ; v1@-86.11,-1251.63 v1@-85.94,-1251.8 ; v1(-85.63,-1251.63) -85.8,-1251.8 v1@-85.94,-1251.8 ; J5.80@-26.77,-1271.65 -66.09,-1271.65 v1@-85.94,-1251.8 ; R128.2.1@31.5,1559.06 v1(94.49,1559.06)